# Altium PCB A4_v40.PcbDoc (part 2 of 2)
Units mil, origin at the board's own origin, x right, y up, seen from the top; angles counter-clockwise.
Board outline 3937.01 x 3149.61 mil, 2 copper layers (Top Layer, Bottom Layer); 100 components, 61 nets, 293 pads, 30 vias.
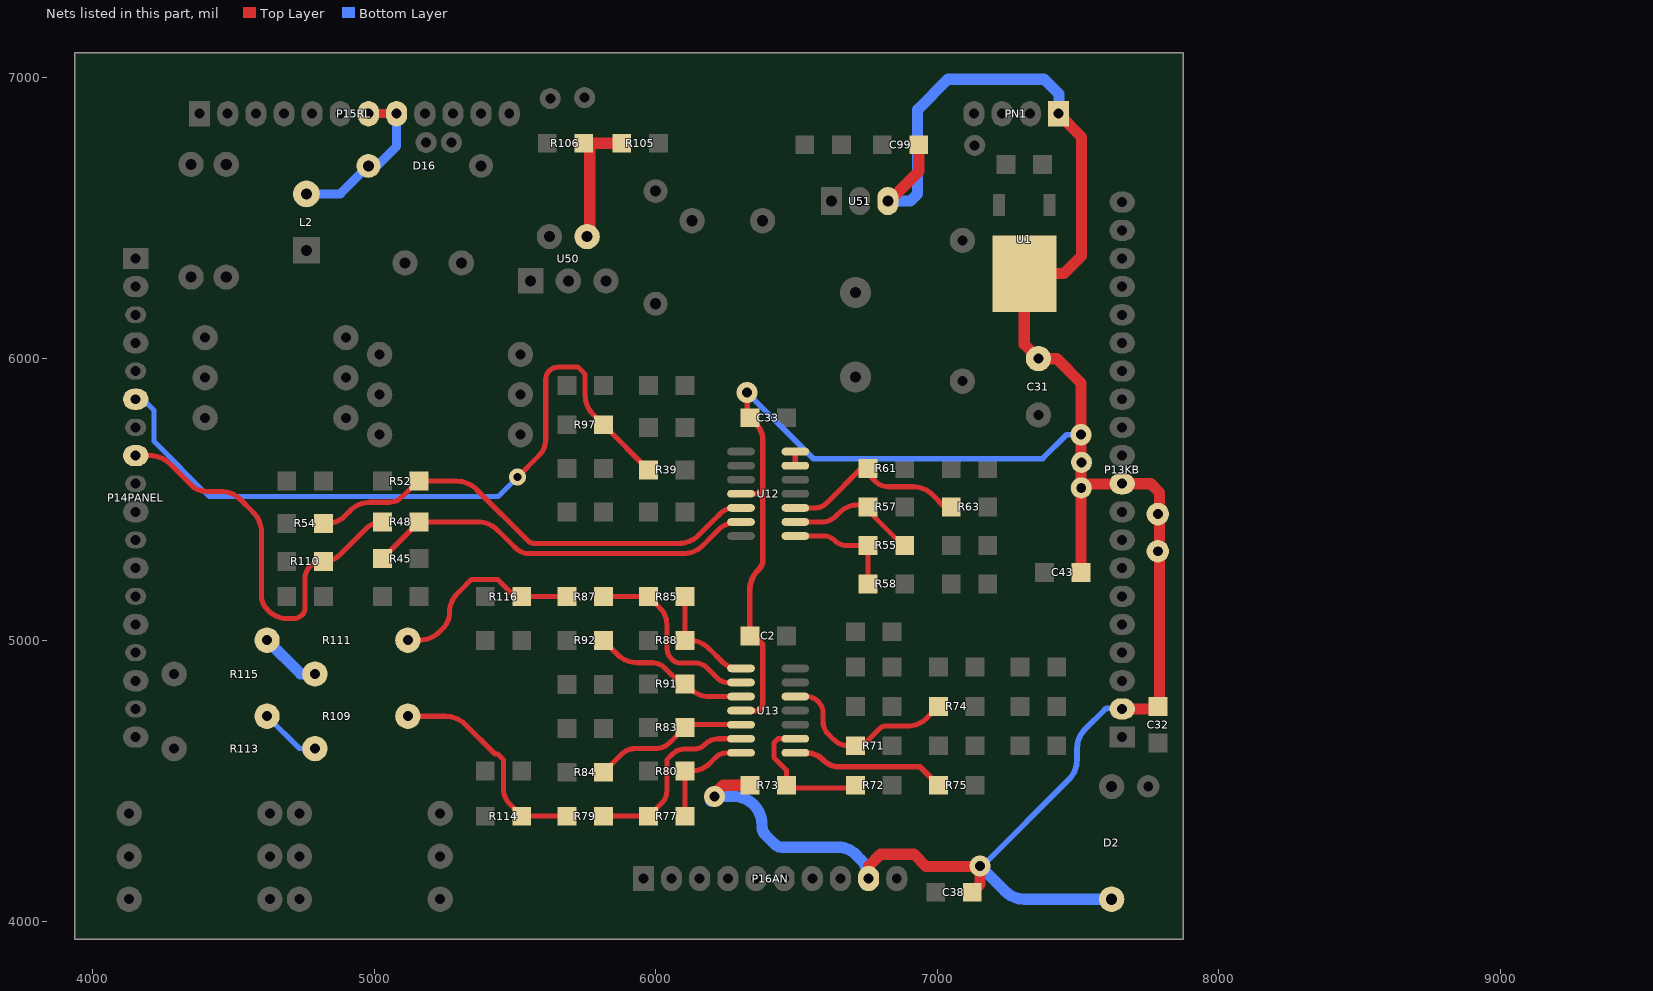
[diagram p2: the nets of this part, all layers, seen from the top]

## Via types
v1: diameter 75, hole 35.43, Top Layer to Bottom Layer, 19 vias
v2: diameter 60, hole 28, Top Layer to Bottom Layer, 10 vias
v3: diameter 80, hole 35.43, Top Layer to Bottom Layer, 1 vias

## Nets (pads, with @x,y where several pads share a name; then routed paths per layer and width w, separated by ;. In a path a pad name is that pad's centre, name@x,y a point inside that pad or via, vN(x,y) a via of type N, cw(c..) or ccw(c..) an arc to the next point about the centre after c; other vN are vias at no path point) (continued)
NetR45_2: R45.2 R48.1 U12.6 | length 1407.1
  Top Layer w18: R45.2@5030.04,5290 5159.96,5419.92 R48.1@5159.96,5420 5368.58,5420 cw(c5368.58,5320) 5439.29,5390.71 5501.5,5328.5 ccw(c5550.99,5377.99) 5550.99,5308 5556.32,5308 5557.02,5307.29 5581.25,5307.29 5581.96,5308 5588.82,5308 5589.41,5307.41 5646.28,5307.41 5646.87,5308 5671.67,5308 5672.38,5307.29 5726.38,5307.29 5727.09,5308 6070.62,5308 6071.33,5307.29 6095.51,5307.29 6096.22,5308 6098.29,5308 ccw(c6098.29,5408) 6169,5337.29 6187.2,5355.49 6187.2,5356.29 6189.43,5358.51 6189.43,5358.71 6201.89,5371.17 6202.09,5371.17 6221.62,5390.71 cw(c6292.33,5320) 6266.44,5416.59 cw(c6292.33,5320) 6292.33,5420 U12.6@6303.54,5420
NetR52_1: R52.1 R54.2 U12.5 | length 1667.3
  Top Layer w18: R54.2@4819.96,5415 4831.82,5415 ccw(c4831.82,5507.18) 4897,5442 4916.01,5461.01 cw(c4986,5391.02) 4916.04,5461.04 cw(c4986,5391.02) 4986,5490 5054.54,5490 ccw(c5054.54,5551.46) 5097.97,5507.97 ; 5098,5508 5155,5565 R52.1@5159.96,5565 5293.58,5565 cw(c5293.58,5465) 5364.29,5535.71 5546.1,5353.9 ccw(c5570,5377.8) 5570,5344 5603.74,5344 5604.33,5343.41 5631.37,5343.41 5631.96,5344 5686.58,5344 5687.29,5343.29 5711.47,5343.29 5712.18,5344 6082.58,5344 ccw(c6082.58,5444) 6153.29,5373.29 6153.43,5373.43 6153.43,5373.62 6186.98,5407.17 6187.17,5407.17 6187.71,5407.71 6187.71,5408.51 6207.42,5428.23 6208.23,5428.23 6230.5,5450.5 cw(c6277.58,5403.42) 6277.58,5470 U12.5@6303.54,5470
NetR55_1: R55.1 R58.2 U12.8 | length 412.7
  Top Layer w18: U12.8@6487.91,5370 U12.8@6496.46,5370 6598.79,5370 cw(c6598.79,5318.79) 6634.99,5355.01 ccw(c6679.27,5399.29) 6679.27,5336.67 R55.1@6755.04,5336.67 R58.2@6755.04,5200
NetR55_2: R55.2 R57.1 U12.9 | length 489
  Top Layer w18: U12.9@6487.91,5420 U12.9@6496.46,5420 6590.3,5420 ccw(c6590.3,5491.7) 6641,5441 6654.54,5454.54 cw(c6716,5393.09) 6716,5480 6755.04,5480 R57.1@6755.04,5473.33 6755.04,5459.92 R55.2@6884.96,5330
NetR61_1: R61.1 R63.2 U12.10 | length 680.7
  Top Layer w18: U12.10@6487.91,5470 U12.10@6496.46,5470 6567.37,5470 ccw(c6567.37,5524.63) 6605.98,5485.98 6730,5610 R61.1@6755.04,5610 6755.04,5589.96 6781,5564 ccw(c6826.87,5609.87) 6826.87,5545 6916,5545 cw(c6916,5450.85) 6982.58,5517.42 7030,5470 R63.2@7050.04,5470
NetR71_1: R71.1 R74.2 U13.12 | length 669.1
  Top Layer w18: U13.12@6496.46,4800 6535.96,4800 cw(c6535.96,4741.96) 6576.97,4783.03 ; 6577,4783 6577.32,4782.68 cw(c6534.64,4740) 6595,4740 6595,4711 ccw(c6657.77,4711) 6613.36,4666.64 ; 6613.38,4666.62 6633.08,4646.92 ccw(c6686,4699.84) 6686,4625 R71.1@6710.04,4625 6735,4625 6779.5,4669.5 6779.5,4669.65 6794.13,4684.29 cw(c6820,4658.42) 6820,4695 6893.62,4695 ccw(c6893.62,4795) 6964.33,4724.29 R74.2@7005.04,4765
NetR72_1: R72.1 R73.2 U13.9 | length 510.3
  Top Layer w18: U13.9@6496.46,4650 6435,4650 6421,4636 6421,4617.65 6420.24,4616.89 6420.24,4583.11 6464.96,4538.39 R73.2@6464.96,4485 6464.96,4475 6700.04,4475 R72.1@6710.04,4485
NetR75_1: R75.1 U13.8 | length 549
  Top Layer w20: U13.8@6496.46,4600 6534.64,4600 cw(c6534.64,4514.64) 6594.96,4575.04 cw(c6534.64,4514.64) 6595,4575 6595.96,4574.04 ; 6595.99,4574.01 ccw(c6654,4632.08) 6654,4550 6940.04,4550 R75.1@7005.04,4485
NetR77_1: R77.1 R80.2 U13.7 | length 378.9
  Top Layer w18: R77.1@6104.96,4375 R80.2@6104.96,4535 6123.58,4535 ccw(c6123.58,4635) 6194.29,4564.29 6214,4584 cw(c6252.63,4545.37) 6252.63,4600 U13.7@6303.54,4600
NetR77_2: R77.2 R79.1 U13.6 | length 671.8
  Top Layer w18: R79.1@5814.96,4375 R77.2@5975.04,4375 6023,4422.96 ccw(c5981.96,4464) 6040,4464 6040,4575.15 6060.31,4595.46 6061.46,4595.46 6065,4599 cw(c6098.8,4565.2) 6098.8,4613 6136,4613 ccw(c6136,4666.11) 6173.55,4628.55 6174.54,4629.54 cw(c6223.94,4580.13) 6223.94,4650 U13.6@6303.54,4650
NetR79_2: R79.2 R109.2 R114.2 | length 783.6
  Top Layer w18: R109.2@5120,4730 5253.58,4730 cw(c5253.58,4630) 5324.29,4700.71 5429.54,4595.46 5439.69,4595.46 5460,4575.15 5460,4472 ccw(c5537.35,4472) 5468.77,4436.23 ccw(c5537.35,4472) 5482.66,4417.31 R114.2@5524.96,4375 R79.2@5685.04,4375
NetR83_1: R83.1 R84.2 U13.5 | length 553.7
  Top Layer w18: R84.2@5814.96,4531 5879.84,4595.88 cw(c5926,4549.72) 5926,4615 5999.24,4615 ccw(c5999.24,4686.7) 6049.94,4636 R83.1@6103.94,4690 ; R83.1@6104.96,4690 R83.1@6103.94,4690 ; U13.5@6303.54,4700 6113.94,4700 R83.1@6103.94,4690
NetR85_1: R85.1 R88.2 U13.1 | length 387.8
  Top Layer w18: R85.1@6104.96,5155 R88.2@6104.96,4999 6119.58,4999 cw(c6119.58,4899) 6190.29,4969.71 6236,4924 ; 6236.03,4923.97 ccw(c6293.94,4981.94) 6293.94,4900 U13.1@6303.54,4900
NetR85_2: R85.2 R87.1 U13.2 | length 684.2
  Top Layer w18: R87.1@5814.96,5155 R85.2@5975.04,5155 6016.64,5113.4 ; 6016.67,5113.37 cw(c5960.24,5057) 6040,5057 6040,4975.46 ccw(c6101.46,4975.46) 6058,4932 ccw(c6089.38,4963.38) 6089.38,4919 6141,4919 cw(c6141,4858.64) 6183.68,4901.32 6220,4865 ccw(c6256.21,4901.21) 6256.21,4850 U13.2@6303.54,4850
NetR87_2: R87.2 R111.2 R116.2 | length 709.7
  Top Layer w18: R111.2@5120,5000 5160.58,5000 ccw(c5160.58,5100) 5231.29,5029.29 5246.08,5044.08 ccw(c5193.16,5097) 5268,5097 cw(c5366.98,5097) 5296.99,5166.99 5345.46,5215.46 5439.69,5215.46 5454.8,5200.35 5485.04,5170.12 5500.15,5155 R116.2@5524.96,5155 R87.2@5685.04,5155
NetR91_1: R91.1 R92.2 U13.3 | length 559.8
  Top Layer w18: R92.2@5814.96,4999 5864.67,4949.29 ccw(c5935.38,5020) 5935.38,4920 5988.76,4920 cw(c5988.76,4858.85) 6031.97,4902.11 ; 6032,4902.09 6089.09,4845 R91.1@6104.96,4845 6120.67,4829.29 ccw(c6191.38,4900) 6191.38,4800 U13.3@6303.54,4800
NetR105_1: R105.1 R106.2 U50.4 | length 478.8
  Top Layer w40: U50.4@5756.93,6433.74 5766,6442.81 5766,6743.96 R106.2@5744.96,6765 R105.1@5880.04,6765
NetR109_1: R109.1 R113.2 | length 217.6
  Bottom Layer w18: R109.1@4620,4730 4735,4615 R113.2@4790,4615
NetR111_1: R111.1 R115.2 | length 219.7
  Bottom Layer w40: R111.1@4620,5000 4740,4880 R115.2@4790,4880
NetU12_13: U12.13 U12.14 | length 50
  Top Layer w20: U12.13@6496.46,5620 U12.14@6496.46,5670
R_M: P14PANEL.6 R39.2 R97.2 | length 2582.4
  Top Layer w18: v2(5510,5580) 5586.67,5656.67 ccw(c5530.33,5713) 5610,5713 5610,5928.03 cw(c5650.97,5928.03) 5622,5957 cw(c5653.38,5925.62) 5653.38,5970 5725.15,5970 5750,5945.15 5750,5870.06 ccw(c5845.6,5870.06) 5778,5802.46 R97.2@5814.96,5765.5 5814.96,5765.08 R39.2@5975.04,5605
  Bottom Layer w18: P14PANEL.6@4153.54,5855.91 4179.09,5855.91 4219,5816 4219,5706 4415,5510 5440,5510 v2(5510,5580)
SENSE: D16.1 L2.2 P15RL.7 P15RL.8 | length 596.8
  Top Layer w32: P15RL.7@4980.32,6870.08 P15RL.8@5080.32,6870.08
  Bottom Layer w32: L2.2@4760,6585 4880,6585 D16.1@4980,6685 ; D16.1@4995,6670 5080.32,6755.32 P15RL.8@5080.32,6870.08
VCC: C2.2 C31.1 C32.2 C33.2 C38.2 C43.2 C99.2 D2.2 P13KB.2 P13KB.10 P16AN.9 pad.2 pad.3 pad.10 pad.11 PN1.1 R73.1 U1.4 U12.4 U13.4 U51.3 | length 9871.5
  Top Layer w20: U13.4@6303.54,4750 6364,4750 6380.76,4766.76 6380.76,4984.28 C2.2@6335.04,5030 ; U12.4@6303.54,5520 6380,5520 6380.76,5520.76 ; v1(6325,5880) 6325,5800.04 C33.2@6335.04,5790 6357.22,5767.82 cw(c6300.4,5711) 6380.76,5711 6380.76,5520.76 ; C2.2@6335.04,5015 C2.2@6335.04,5030 ; C2.2@6335.04,5030 6335.04,5178.62 cw(c6435.04,5178.62) 6364.33,5249.33 6368,5253 ccw(c6337.2,5283.8) 6380.76,5283.8 6380.76,5520.76
  Top Layer w40: v1(6210,4445) 6210,4455 6240,4485 R73.1@6335.04,4485 ; P16AN.9@6756.69,4153.54 6756.69,4196.69 6800,4240 6917.41,4240 6960.92,4196.48 7151.56,4196.48 v1(7152.54,4197.46) 7152.54,4132.58 C38.2@7124.96,4105 ; U51.3@6825,6560 6830,6560 6934.96,6664.96 C99.2@6934.96,6760 ; PN1.1@7430.71,6870.08 7513,6787.79 7513,6365 7450.17,6302.17 U1.4@7310,6302.17 7310,6050 C31.1@7360,6000 7425,6000 7510.96,5914.04 v1(7510.96,5730) pad.3@7510.96,5555 ; C43.2@7510.96,5241 pad.3@7510.96,5555 ; P13KB.2@7657.48,4755.91 7773.95,4755.91 C32.2@7794,4775.96 ; C32.2@7796,4775.96 C32.2@7794,4775.96 ; pad.3@7510.96,5555 7656.57,5555 P13KB.10@7657.48,5555.91 7759.09,5555.91 7790,5525 7790,5448 7790,4779.96 C32.2@7794,4775.96
  Bottom Layer w20: v1(6325,5880) 6560,5645 7375,5645 7460,5730 v1(7510.96,5730) ; v1(7152.54,4197.46) ccw(c7152.54,4216.58) 7166.06,4203.06 7467.71,4504.71 ccw(c7397,4575.42) 7497,4575.42 7497,4616.59 cw(c7500.41,4616.59) 7498,4619 cw(c7587.33,4619) 7524.16,4682.16 7595.76,4753.76 cw(c7606,4743.52) 7606,4758 7652.42,4758 cw(c7652.42,4750.85) P13KB.2@7657.48,4755.91
  Bottom Layer w40: v1@6195,4430 v1(6210,4445) 6277.58,4445 cw(c6277.58,4345) 6348.29,4415.71 6348.71,4415.29 cw(c6278,4344.58) 6378,4344.58 6378,4337 ccw(c6416.63,4337) 6389.31,4309.69 6423,4276 ccw(c6449.56,4302.56) 6449.56,4265 6648.23,4265 cw(c6648.23,4176.23) 6711,4239 6728.57,4221.43 ; 6728.59,4221.41 cw(c6660.69,4153.54) P16AN.9@6756.69,4153.54 ; U51.3@6825,6560 6905,6560 6930,6585 6930,6884 7039,6993 7380,6993 7433,6940 7433,6872.37 PN1.1@7430.71,6870.08 ; v1(7152.54,4197.46) 7240.71,4109.29 ccw(c7311.42,4180) 7311.42,4080 D2.2@7620,4080
Y_M: P14PANEL.8 R48.2 R110.2 | length 1477.5
  Top Layer w18: P14PANEL.8@4153.54,5655.91 4204.67,5655.91 cw(c4204.67,5555.91) 4219.25,5654.84 cw(c4204.67,5555.91) 4275.38,5626.62 4351.79,5550.21 ccw(c4403,5601.43) 4403,5529 4454.58,5529 cw(c4454.58,5429) 4525.29,5499.71 4570.71,5454.29 cw(c4500,5383.58) 4600,5383.58 4600,5157.58 ccw(c4666.58,5157.58) 4619.5,5110.5 4626.13,5103.87 ccw(c4691,5168.74) 4643.92,5090 ccw(c4691,5168.74) 4691,5077 4713.62,5077 ccw(c4713.62,5121.38) 4745,5090 ccw(c4720.86,5114.14) 4755,5114.14 4755,5218.13 cw(c4819.87,5218.13) 4774,5264 cw(c4812.63,5225.37) 4812.63,5280 R110.2@4819.96,5280 ccw(c4819.96,5364.59) 4879.77,5304.77 ; 4879.78,5304.78 4970.22,5395.22 ; 4970.23,5395.23 cw(c5030.04,5335.41) R48.2@5030.04,5420
pads on no net: P13KB.3 P13KB.4 P13KB.5 P13KB.7 P13KB.8 P13KB.9 P13KB.11 P13KB.12 P13KB.13 P13KB.14 P13KB.15 P13KB.16 P13KB.17 P13KB.18 P13KB.19 P13KB.20 P14PANEL.3 P14PANEL.5 P14PANEL.7 P14PANEL.9 P14PANEL.11 P14PANEL.13 P14PANEL.15 P14PANEL.17 P15RL.1 P15RL.2 P15RL.3 P15RL.4 P15RL.5 P15RL.6 P16AN.8 PN1.2
copper on no net: | length 28346.5
  Top Layer w8: 3937.01,3937.01 7874.02,3937.01 7874.02,7086.61 3937.01,7086.61 3937.01,3937.01
  Bottom Layer w8: 3937.01,3937.01 7874.02,3937.01 7874.02,7086.61 3937.01,7086.61 3937.01,3937.01

## Polygon pours and split planes (outlines as drawn)
NetR5_2 on Bottom Layer "NONET_L-01_P-001" (solid, pour order 114): 4628,4430 4732.17,4430 cw(c4732.17,4423.17) 4737,4428 ccw(c4739.41,4425.59) 4736,4425.59 4736,4340 4629.41,4340 cw(c4629.41,4343.41) 4627,4341
NetR109_1 on Bottom Layer "NONET_L-01_P-001" (solid, pour order 112): 4648,4765 4725.42,4687.58 ccw(c4792,4754.15) 4792,4660 4792,4572.41 cw(c4788.59,4572.41) 4791,4570 4759.42,4570 cw(c4759.42,4670) 4688.71,4599.29 4589,4699
NetR111_1 on Bottom Layer "NONET_L-01_P-001" (solid, pour order 110): 4618,5045 cw(c4618,4994.3) 4653.85,5030.15 4735.67,4948.33 ccw(c4792,5004.67) 4792,4925 4792,4836 cw(c4792,4922.91) 4730.54,4861.46 4649.02,4942.98 ccw(c4620,4913.96) 4620,4955
DGY on Bottom Layer "NONET_L-01_P-001" (solid, pour order 108): 4152,4693 4233.58,4693 cw(c4233.58,4593) 4304.29,4663.71 4326,4642 4318.87,4634.87 ccw(c4383.74,4570) 4292,4570 cw(c4292,4630.36) 4249.32,4587.68 4247,4590 ccw(c4176.99,4519.99) 4176.99,4619 4151,4619
DGB on Bottom Layer "NONET_L-01_P-001" (solid, pour order 106): 4151,4894 4209.89,4894 ccw(c4209.89,4969.11) 4263,4916 4324.29,4854.71 ccw(c4326,4856.41) 4326,4854 4315.29,4843.29 cw(c4254.24,4904.34) 4254.24,4818 4151,4818
DGN on Bottom Layer "NONET_L-01_P-001" (solid, pour order 104): 21 vertices, not listed, extent 3965,4078 4175,5293
N on Bottom Layer "NONET_L-01_P-001" (solid, pour order 102): 21 vertices, not listed, extent 4152,5756 4445,6119
GND on Bottom Layer "NONET_L-01_P-001" (solid, pour order 100): 41 vertices, not listed, extent 5209,4362 5932,6069.85
DGR_M on Bottom Layer "NONET_L-01_P-001" (solid, pour order 98): 19 vertices, not listed, extent 4152,5019 5320,5281
R_M on Bottom Layer "NONET_L-01_P-001" (solid, pour order 96): 30 vertices, not listed, extent 4150,5500 5543,5893
B_M on Bottom Layer "NONET_L-01_P-001" (solid, pour order 94): 36 vertices, not listed, extent 4148,5348 5849,6114
NetR6_2 on Bottom Layer "NONET_L-01_P-001" (solid, pour order 92): 26 vertices, not listed, extent 5200,4382 5566,4908
NetR4_2 on Bottom Layer "NONET_L-01_P-001" (solid, pour order 90): 18 vertices, not listed, extent 5235,4188 5514,4731
EB-Y_ on Bottom Layer "NONET_L-01_P-001" (solid, pour order 88): 22 vertices, not listed, extent 5595,3976 6394,4158
DG-R_ on Bottom Layer "NONET_L-01_P-001" (solid, pour order 86): 29 vertices, not listed, extent 5508,4038 6195,4776
NetC37_1 on Bottom Layer "NONET_L-01_P-001" (solid, pour order 84): 20 vertices, not listed, extent 5748,4182 6250,4329
EB-R_ on Bottom Layer "NONET_L-01_P-001" (solid, pour order 82): 44 vertices, not listed, extent 5933,4148 6314,6056
GND on Bottom Layer "NONET_L-01_P-001" (solid, pour order 80): 47 vertices, not listed, extent 6009,4313.09 6740,5386.29
GND on Bottom Layer "NONET_L-01_P-001" (solid, pour order 78): 24 vertices, not listed, extent 6577,4148 6894,5237
VCC on Bottom Layer "NONET_L-01_P-001" (solid, pour order 76): 31 vertices, not listed, extent 6165,4144 6794,4488
FREQIN on Bottom Layer "NONET_L-01_P-001" (solid, pour order 72): 6583.03,4371 ccw(c6583.03,4411.97) 6612,4383 ccw(c6561.3,4433.7) 6633,4433.7 6633,4971 ccw(c6596.79,4971) 6622.39,4996.61 6614,5005 ccw(c6604.34,4995.34) 6604.34,5009 6585,5009 ccw(c6585,4965.54) 6554.27,4996.27 6549,4991 ccw(c6568.31,4971.69) 6541,4971.69 6541,4396 ccw(c6555.49,4396) 6545.24,4385.76 6554,4377 ccw(c6568.49,4391.49) 6568.49,4371
EB-B_ on Bottom Layer "NONET_L-01_P-001" (solid, pour order 70): 37 vertices, not listed, extent 6420,4024 7013,5138
DGR_M on Bottom Layer "NONET_L-01_P-001" (solid, pour order 68): 6179,5143 6191.81,5155.81 cw(c6214,5133.62) 6214,5165 6582.2,5165 cw(c6582.2,5117.2) 6616,5151 cw(c6589.44,5124.44) 6627,5124.44 6627,5115.38 cw(c6582.62,5115.38) 6614,5084 cw(c6592.27,5105.73) 6592.27,5075 6210.14,5075 cw(c6210.14,5109.14) 6186,5085 6185.02,5085.98 cw(c6214.04,5115) 6173,5115 6173,5128.51 cw(c6193.49,5128.51)
DGR_M on Bottom Layer "NONET_L-01_P-001" (solid, pour order 66): 19 vertices, not listed, extent 7174,4933 7519,5120
VCC on Bottom Layer "NONET_L-01_P-001" (solid, pour order 64): 39 vertices, not listed, extent 7104,4034 7668,4794
GND on Bottom Layer "NONET_L-01_P-001" (solid, pour order 62): 52 vertices, not listed, extent 6670,4262 7583,5308
GND on Bottom Layer "NONET_L-01_P-001" (solid, pour order 60): 30 vertices, not listed, extent 7426,4146 7822,5192
GND on Bottom Layer "NONET_L-01_P-001" (solid, pour order 58): 34 vertices, not listed, extent 6009,5118 7666,5992
GND on Bottom Layer "NONET_L-01_P-001" (solid, pour order 0): 23 vertices, not listed, extent 4048,6317 4515,6803
BAT+ on Bottom Layer "NONET_L-01_P-001" (solid, pour order 2): 43 vertices, not listed, extent 4099,6218 4819,6736
NetD1_1 on Bottom Layer "NONET_L-01_P-001" (solid, pour order 4): 4303,6286 cw(c4382.67,6286) 4326.33,6342.33 4329,6345 cw(c4372.46,6301.54) 4372.46,6363 4451.23,6363 cw(c4451.23,6274.23) 4514,6337 cw(c4475.37,6298.37) 4530,6298.37 4530,6280 cw(c4472.06,6280) 4513.03,6239.03 4511,6237 cw(c4477.2,6270.8) 4477.2,6223 4355.73,6223 cw(c4355.73,6277.87) 4316.93,6239.07 4314,6242 cw(c4340.56,6268.56) 4303,6268.56
SENSE on Bottom Layer "NONET_L-01_P-001" (solid, pour order 6): 23 vertices, not listed, extent 4688,6524 5118,6915
GND on Bottom Layer "NONET_L-01_P-001" (solid, pour order 8): 58 vertices, not listed, extent 4881,5415 5886,6915
BAT on Bottom Layer "NONET_L-01_P-001" (solid, pour order 10): 23 vertices, not listed, extent 5266,6231 5601,6755
GND on Bottom Layer "NONET_L-01_P-001" (solid, pour order 12): 51 vertices, not listed, extent 5860,5690 7423,6627
NetD61_2 on Bottom Layer "NONET_L-01_P-001" (solid, pour order 14): 29 vertices, not listed, extent 5555,6368 6184,6703
GND on Bottom Layer "NONET_L-01_P-001" (solid, pour order 16): 29 vertices, not listed, extent 5914,6420 6764,6996
+9V on Bottom Layer "NONET_L-01_P-001" (solid, pour order 18): 32 vertices, not listed, extent 6327,6170 7160,6659
VCC on Bottom Layer "NONET_L-01_P-001" (solid, pour order 20): 30 vertices, not listed, extent 6788,6501 7469,7044
VCC on Bottom Layer "NONET_L-01_P-001" (solid, pour order 22): 29 vertices, not listed, extent 6793.44,5944 7441,6809
GND on Bottom Layer "NONET_L-01_P-001" (solid, pour order 24): 28 vertices, not listed, extent 7102,5690 7573,6789
VCC on Bottom Layer "NONET_L-01_P-001" (solid, pour order 26): 23 vertices, not listed, extent 6218,5493 7560,5920
+9V on Bottom Layer "NONET_L-01_P-001" (solid, pour order 46): 5392.83,6813 5825,6813 5825,6929.3 ccw(c5787.1,6929.3) 5813.9,6956.1 5813,6957 ccw(c5745.4,6889.4) 5745.4,6985 5446.42,6985 ccw(c5446.42,6885) 5375.71,6955.71 5368,6948 ccw(c5430.77,6885.23) 5342,6885.23 5342,6862 ccw(c5390.28,6862) 5356.14,6827.86 5367,6817 ccw(c5381.49,6831.49) 5372.66,6813
GND on Bottom Layer "NONET_L-01_P-001" (solid, pour order 52): 7145.53,6671.36 cw(c7145.53,6724.21) 7108.16,6686.84 7082,6713 cw(c7113.38,6744.38) 7069,6744.38 7069,6756 cw(c7112.46,6756) 7081.73,6786.73 7083,6788 cw(c7102.31,6768.69) 7102.31,6796 7150.44,6796 cw(c7150.44,6758.44) 7177,6785
Y_M on Top Layer "NONET_L-01_P-001" (solid, pour order 184): 4152,5693 4185.58,5693 cw(c4185.58,5593) 4256.29,5663.71 4354.71,5565.29 ccw(c4425.42,5636) 4425.42,5536 4431,5536 cw(c4426.17,5536) 4429.59,5532.59 4418,5521 4395.53,5521 cw(c4395.53,5599.53) 4340,5544 4294.29,5589.71 ccw(c4223.58,5519) 4223.58,5619 4152,5619
GND on Top Layer "NONET_L-01_P-001" (solid, pour order 182): 36 vertices, not listed, extent 5403,4792 5714.42,5027
NetD61_2 on Top Layer "NONET_L-01_P-001" (solid, pour order 180): 17 vertices, not listed, extent 5942,6436 6183,6653
NetR8_2 on Top Layer "NONET_L-01_P-001" (solid, pour order 178): 5519,5775 ccw(c5519,5731.54) 5488.27,5762.27 5447.29,5721.29 ccw(c5518,5650.58) 5418,5650.58 5418,5620.04 ccw(c5476.04,5620.04) 5435,5579 5435,5601.64 cw(c5520.36,5601.64) 5460,5662 cw(c5515.53,5606.47) 5515.53,5685 5520,5685
VCC on Top Layer "NONET_L-01_P-001" (solid, pour order 176): 19 vertices, not listed, extent 7631,4719 7818,5593
VCC on Top Layer "NONET_L-01_P-001" (solid, pour order 174): 7455,5339.21 ccw(c7506.21,5339.21) 7470,5303 cw(c7453.1,5286.1) 7477,5286.1 7477,5208 ccw(c7479.41,5210.41) 7479.41,5207 7544,5207 7544,5447.47 cw(c7622.53,5447.47) 7567,5503 cw(c7600.8,5469.2) 7600.8,5517 7631,5517 cw(c7674.46,5517) 7643.73,5547.73 7667,5571 ccw(c7662.17,5566.17) 7662.17,5573 7455,5573
GND on Top Layer "NONET_L-01_P-001" (solid, pour order 172): 7566,4603.58 cw(c7666,4603.58) 7595.29,4674.29 7612,4691 7691.06,4691 cw(c7691.06,4609.06) 7749,4667 7817,4667 7817,4331.87 cw(c7752.13,4331.87) 7798,4286 7770.29,4258.29 cw(c7699.58,4329) 7699.58,4229 7661,4229 cw(c7661,4296.6) 7613.2,4248.8 7589,4273 cw(c7644.53,4328.53) 7566,4328.53
NetR55_1 on Top Layer "NONET_L-01_P-001" (solid, pour order 170): 6788,5167 6788,5336.2 ccw(c6740.2,5336.2) 6774,5370 6587.24,5370 cw(c6587.24,5380.24) 6580,5373 6574.83,5367.83 ccw(c6581.66,5361) 6572,5361 6589.54,5361 cw(c6589.54,5299.54) 6633,5343 6695.13,5280.87 cw(c6630.26,5216) 6722,5216
EB-B_ on Top Layer "NONET_L-01_P-001" (solid, pour order 168): 6863,5167 cw(c6863,5113.89) 6900.56,5151.44 6928.98,5123.02 cw(c6899.96,5094) 6941,5094 ccw(c6960.31,5094) 6946.66,5080.34 6956.93,5070.07 ccw(c6974,5087.14) 6974,5063 6982.27,5063 ccw(c6982.27,5093.73) 7004,5072 7068.15,5136.15 ccw(c7032.3,5172) 7083,5172 7083,5201.62 ccw(c7038.62,5201.62) 7070,5233 6898.56,5233 ccw(c6898.56,5195.44) 6872,5222
GND on Top Layer "NONET_L-01_P-001" (solid, pour order 166): 25 vertices, not listed, extent 6419,5669 6694,5824
GND on Top Layer "NONET_L-01_P-001" (solid, pour order 164): 17 vertices, not listed, extent 6412,5492 6464,5553
VCC on Top Layer "NONET_L-01_P-001" (solid, pour order 162): 18 vertices, not listed, extent 6243,5704 6387,5920
VCC on Top Layer "NONET_L-01_P-001" (solid, pour order 160): 6371,5489 6371,5494.34 ccw(c6357.34,5494.34) 6367,5504 ccw(c6354.8,5491.8) 6354.8,5509.05 6348.95,5509.05 ccw(c6322.4,5509.05) 6341.17,5527.83 6336,5533 6353.51,5533 ccw(c6353.51,5553.49) 6368,5539 ccw(c6360.76,5546.24) 6371,5546.24 6371,5560 6378,5560
VCC on Top Layer "NONET_L-01_P-001" (solid, pour order 158): 23 vertices, not listed, extent 6301,4928 6390,5358
GND on Top Layer "NONET_L-01_P-001" (solid, pour order 156): 20 vertices, not listed, extent 6409,4937 6499,5334
GND on Top Layer "NONET_L-01_P-001" (solid, pour order 154): 57 vertices, not listed, extent 7101,4269 7508,4938
DGR_M on Top Layer "NONET_L-01_P-001" (solid, pour order 152): 20 vertices, not listed, extent 7102,4873 7327,5021
DG-B_ on Top Layer "NONET_L-01_P-001" (solid, pour order 150): 18 vertices, not listed, extent 7027,4829 7111,4880
FREQIN on Top Layer "NONET_L-01_P-001" (solid, pour order 148): 20 vertices, not listed, extent 6493,4736 6743,5063
GND on Top Layer "NONET_L-01_P-001" (solid, pour order 146): 6819,4157 6819,4144.7 ccw(c6890.7,4144.7) 6840,4094 ccw(c6893.11,4147.11) 6893.11,4072 6993,4072 6993,4125.93 cw(c7010.07,4125.93) 6998,4138 6962.8,4138 cw(c6962.8,4185.8) 6929,4152 6902.8,4178.2 ccw(c6855,4130.4) 6855,4198
VCC on Top Layer "NONET_L-01_P-001" (solid, pour order 144): 35 vertices, not listed, extent 6719,4072 7198,4260
FREQ on Top Layer "NONET_L-01_P-001" (solid, pour order 142): 6520,4154 6520,4128.18 ccw(c6612.18,4128.18) 6547,4063 6557.71,4052.29 ccw(c6628.42,4123) 6628.42,4023 6664.96,4023 ccw(c6664.96,4081.04) 6706,4040 6652.87,4040 cw(c6652.87,4104.87) 6607,4059 cw(c6640.8,4092.8) 6593,4092.8 6593,4148
DG-Y_ on Top Layer "NONET_L-01_P-001" (solid, pour order 140): 5741,4422 5741,4430.34 ccw(c5727.34,4430.34) 5737,4440 ccw(c5722.51,4425.51) 5722.51,4446 5716,4446 cw(c5742.56,4419.44) 5742.56,4457 5761,4457 cw(c5761,4435.27) 5776.36,4450.64 5781,4446 5778.07,4446 ccw(c5778.07,4428.93) 5766,4441 5764.36,4439.36 ccw(c5779.73,4424) 5758,4424 cw(c5748.34,4433.66) 5748.34,4420 5744,4420
DG-Y_ on Top Layer "NONET_L-01_P-001" (solid, pour order 138): 6019,4152 6019,4183.58 ccw(c5919,4183.58) 5989.71,4254.29 5983,4261 ccw(c5939.54,4217.54) 5939.54,4279 5911,4279 5911,4282.59 ccw(c5907.59,4282.59) 5910,4285 5979.58,4285 cw(c5979.58,4185) 6050.29,4255.71 6064.71,4241.29 cw(c5994,4170.58) 6094,4170.58 6094,4148 ccw(c6080.62,4134.62) 6080.62,4153.54 6056.69,4153.54
DG-B_ on Top Layer "NONET_L-01_P-001" (solid, pour order 136): 5993,4194 5993,4084.18 ccw(c6085.18,4084.18) 6020,4019 ccw(c6053.8,4052.8) 6053.8,4005 6064,4005 6064.93,4004.07 cw(c6047.86,3987) 6072,3987 6034.77,3987 cw(c6034.77,4075.77) 5972,4013 5948.29,4036.71 cw(c6019,4107.42) 5919,4107.42 5919,4197
GND on Top Layer "NONET_L-01_P-001" (solid, pour order 134): 24 vertices, not listed, extent 6745,4275 7056,4518
DGR_M on Top Layer "NONET_L-01_P-001" (solid, pour order 132): 18 vertices, not listed, extent 6111,5077 6264,5244
VCC on Top Layer "NONET_L-01_P-001" (solid, pour order 130): 6366,4452 6319.01,4452 ccw(c6319.01,4352.99) 6249,4423 6239.61,4413.61 cw(c6214,4439.21) 6214,4403 6208.38,4403 cw(c6208.38,4447.38) 6177,4416 cw(c6198.73,4437.73) 6168,4437.73 6168,4451.86 cw(c6202.14,4451.86) 6178,4476 6190.71,4488.71 cw(c6261.42,4418) 6261.42,4518 6356,4518
GND on Top Layer "NONET_L-01_P-001" (solid, pour order 128): 5428,4342 5428,4550.76 ccw(c5417.76,4550.76) 5425,4558 5423.54,4559.46 cw(c5432.07,4568) 5420,4568 cw(c5420,4625.94) 5379.03,4584.97 5322.99,4641.01 ccw(c5253,4571.02) 5253,4670 5112.11,4670 cw(c5112.11,4745.11) 5059,4692 5059,4674.49 ccw(c5077.07,4674.49) 5064.29,4661.71 5344.74,4381.26 cw(c5305.47,4342) 5361,4342
GND on Top Layer "NONET_L-01_P-001" (solid, pour order 126): 47 vertices, not listed, extent 5046,4497 5718,5159
DG-R_ on Top Layer "NONET_L-01_P-001" (solid, pour order 124): 5519,4719 5515.51,4722.49 ccw(c5466,4672.99) 5466,4743 cw(c5466,4755.07) 5457.46,4746.54 5430,4774 ccw(c5444.49,4788.49) 5444.49,4768 5542,4768 5542,4761.49 ccw(c5562.49,4761.49) 5548,4747
NetR4_2 on Top Layer "NONET_L-01_P-001" (solid, pour order 122): 5462,4668 ccw(c5481.31,4687.31) 5481.31,4660 5535.54,4660 ccw(c5535.54,4721.46) 5579,4678 ccw(c5569.34,4687.66) 5583,4687.66 5583,4709 5572.61,4698.61 cw(c5547,4724.21) 5547,4688 cw(c5547,4743.53) 5507.74,4704.26 5496,4716
GND on Top Layer "NONET_L-01_P-001" (solid, pour order 120): 5718,5422 5718,5873 5652,5939 5652,5695.42 cw(c5552.01,5695.42) 5622.71,5624.71 5539,5541 ccw(c5570.38,5509.62) 5526,5509.62 5526,5505 ccw(c5574.28,5505) 5540.14,5470.86 5559.71,5451.29 ccw(c5630.42,5522) 5630.42,5422
DGR_M on Top Layer "NONET_L-01_P-001" (solid, pour order 118): 22 vertices, not listed, extent 5227,5192 5371,5278
GND on Top Layer "NONET_L-01_P-001" (solid, pour order 116): 39 vertices, not listed, extent 4656,5122 5673,6168
GND on Top Layer "NONET_L-01_P-001" (solid, pour order 30): 34 vertices, not listed, extent 4086,6206 5231,6533
GND on Top Layer "NONET_L-01_P-001" (solid, pour order 32): 36 vertices, not listed, extent 4086,6234 5204,6802
GND on Top Layer "NONET_L-01_P-001" (solid, pour order 34): 23 vertices, not listed, extent 4927.71,6357.28 5648,6797
SENSE on Top Layer "NONET_L-01_P-001" (solid, pour order 36): 4938,6672 ccw(c4954.9,6672) 4942.95,6660.05 4958,6645 ccw(c4970.07,6657.07) 4970.07,6640 5023,6640 ccw(c5023,6683.46) 5053.73,6652.73 5088.71,6687.71 ccw(c5018,6758.42) 5118,6758.42 5118,6876 ccw(c5110.76,6876) 5115.88,6881.12 5081,6916 4980.97,6916 ccw(c4980.97,6875.03) 4952,6904 ccw(c4985.8,6870.2) 4938,6870.2
GND on Top Layer "NONET_L-01_P-001" (solid, pour order 38): 5143,6876.03 cw(c5183.97,6876.03) 5155,6905 cw(c5181.56,6878.44) 5181.56,6916 5276,6916 cw(c5276,6867.72) 5310.14,6901.86 5312,6900 cw(c5297.51,6885.51) 5318,6885.51 5318,6751.42 cw(c5218,6751.42) 5288.71,6680.71 cw(c5233.88,6735.54) 5233.88,6658 cw(c5233.88,6725.31) 5186.28,6677.72 5168,6696 cw(c5228.36,6756.36) 5143,6756.36
+9V on Top Layer "NONET_L-01_P-001" (solid, pour order 40): 44 vertices, not listed, extent 5343,6151 6780,6975
GND on Top Layer "NONET_L-01_P-001" (solid, pour order 42): 58 vertices, not listed, extent 4994,5118 7663,6440
GND on Top Layer "NONET_L-01_P-001" (solid, pour order 44): 17 vertices, not listed, extent 6024,5958 6671,6276
GND on Top Layer "NONET_L-01_P-001" (solid, pour order 48): 67 vertices, not listed, extent 6626,5809 7447,6933
GND on Top Layer "NONET_L-01_P-001" (solid, pour order 50): 7207,6758 ccw(c7207,6704.89) 7169.44,6742.44 7164,6737 cw(c7127.79,6773.21) 7127.79,6722 7123,6722 cw(c7123,6763.04) 7093.98,6734.02 7005.28,6822.72 ccw(c6937,6754.43) 6937,6851 ccw(c6937,6904.11) 6974.56,6866.56 6992,6884 7001.71,6874.29 ccw(c7072.42,6945) 7072.42,6845 7198,6845
VCC on Top Layer "NONET_L-01_P-001" (solid, pour order 54): 48 vertices, not listed, extent 6788,5518 7662,6935
+9V on Top Layer "NONET_L-01_P-001" (solid, pour order 56): 21 vertices, not listed, extent 7045,6375 7278,6723

## Keep-outs
Keep-Out Layer:
  lines w8: 3937.01,3937.01 7874.02,3937.01 7874.02,7086.61 3937.01,7086.61 3937.01,3937.01
  lines w10: 7959.13,4113.01 7959.13,5805.92 9415.82,5805.92 9415.82,4113.01 7959.13,4113.01
  text "KEEPOUT LAYER" at 8003,5638.5 h70
  text "PCB INFORMATION:" at 8003,5436.62 h70
  text "PCB: FR-4" at 8003,5234.75 h70
  text "THICKNESS:35MICRONS" at 8003,5032.88 h70
  text "LAYERS TO PRINT:" at 8003,4831 h70
  text "TOP LAYER CU" at 8322,4696 h60
  text "TOP LEGEND" at 8322,4572.25 h60
  text "TOP SOLDER" at 8322,4448.5 h60
  text "BOTTOM SOLDER" at 8322,4324.75 h60
  text "BOTTOM LAYER CU" at 8322,4201 h60

## Other copper
Top Layer:
  text "TOP LAYER CU" at 7991,6980 h70
  text "COMPONENT SIDE" at 4556,6972 h50
  text "A4 rev4" at 7839.28,5831.89 h150 r90
Bottom Layer:
  region net NetR7_2: 4878.72,5750.7 4998.26,5689.8 5038.53,5768.84 4919,5829.75
  region net NetR9_2: 4878.72,5893.2 4998.26,5832.3 5038.53,5911.34 4919,5972.25
  region net NetR11_2: 4879.72,6035.2 4999.26,5974.3 5039.53,6053.34 4920,6114.25
  rectangle net NetR1_2: 4628,4036 4736,4125
  rectangle net NetR3_2: 4628,4188 4735,4277
  text "SOLDER SIDE" at 5216,6968 h50
  text "BOTTOM LAYER CU" at 7991,6763.5 h70
  text "A4 rev4" at 7835,6315 h150 r90

## Silkscreen, mask and mechanical layers (free items; w line width, h text height)
Top Overlay:
  the board outline again, w10
  text "6V0" at 5628,6999 h90
  text "SIMCONS CONTROL SYSTMES" at 6187,6970 h60
  text "TOP LEGEND" at 7991,6547 h70
  text "A4 v4.0" at 4206,6472 h150 r90
  text "4" at 5838,5957 h120
  text "6" at 7269,5530 h120
  text "5" at 4380,5363 h120
  text "5V0" at 7531,5331 h90 r90
  text "5V0" at 7815,5069 h90 r90
  text "3" at 5342,4838 h120
  text "S/N:" at 4066,4612 h90 r90
  text "2" at 5269,4491 h120
  text "1" at 7231,4452 h120
  text "A4" at 7230,4280 h100
  text "0V0" at 7815,4260 h90 r90
  text "rev4" at 7230,4190 h60
  text "4" at 6222,3999.52 h120
  text "5" at 6333,3999.52 h120
  text "F" at 6536,3999.52 h120
  text "0" at 6834,3999.52 h120
  text "1" at 5934,3999.29 h120
  text "2" at 6027,3998 h120
  text "3" at 6126,3998 h120
  text "6" at 6433,3998.12 h120
  text "5" at 6732,3998 h120
Top Paste:
  the board outline again, w10
Bottom Paste:
  the board outline again, w10
Top Solder:
  the board outline again, w10
  text "TOP SOLDER" at 7991,6330.5 h70
Bottom Solder:
  the board outline again, w10
  text "BOTTOM SOLDER" at 7991,6114 h70